# KiCad board ergodonk_pico.kicad_pcb (continued)
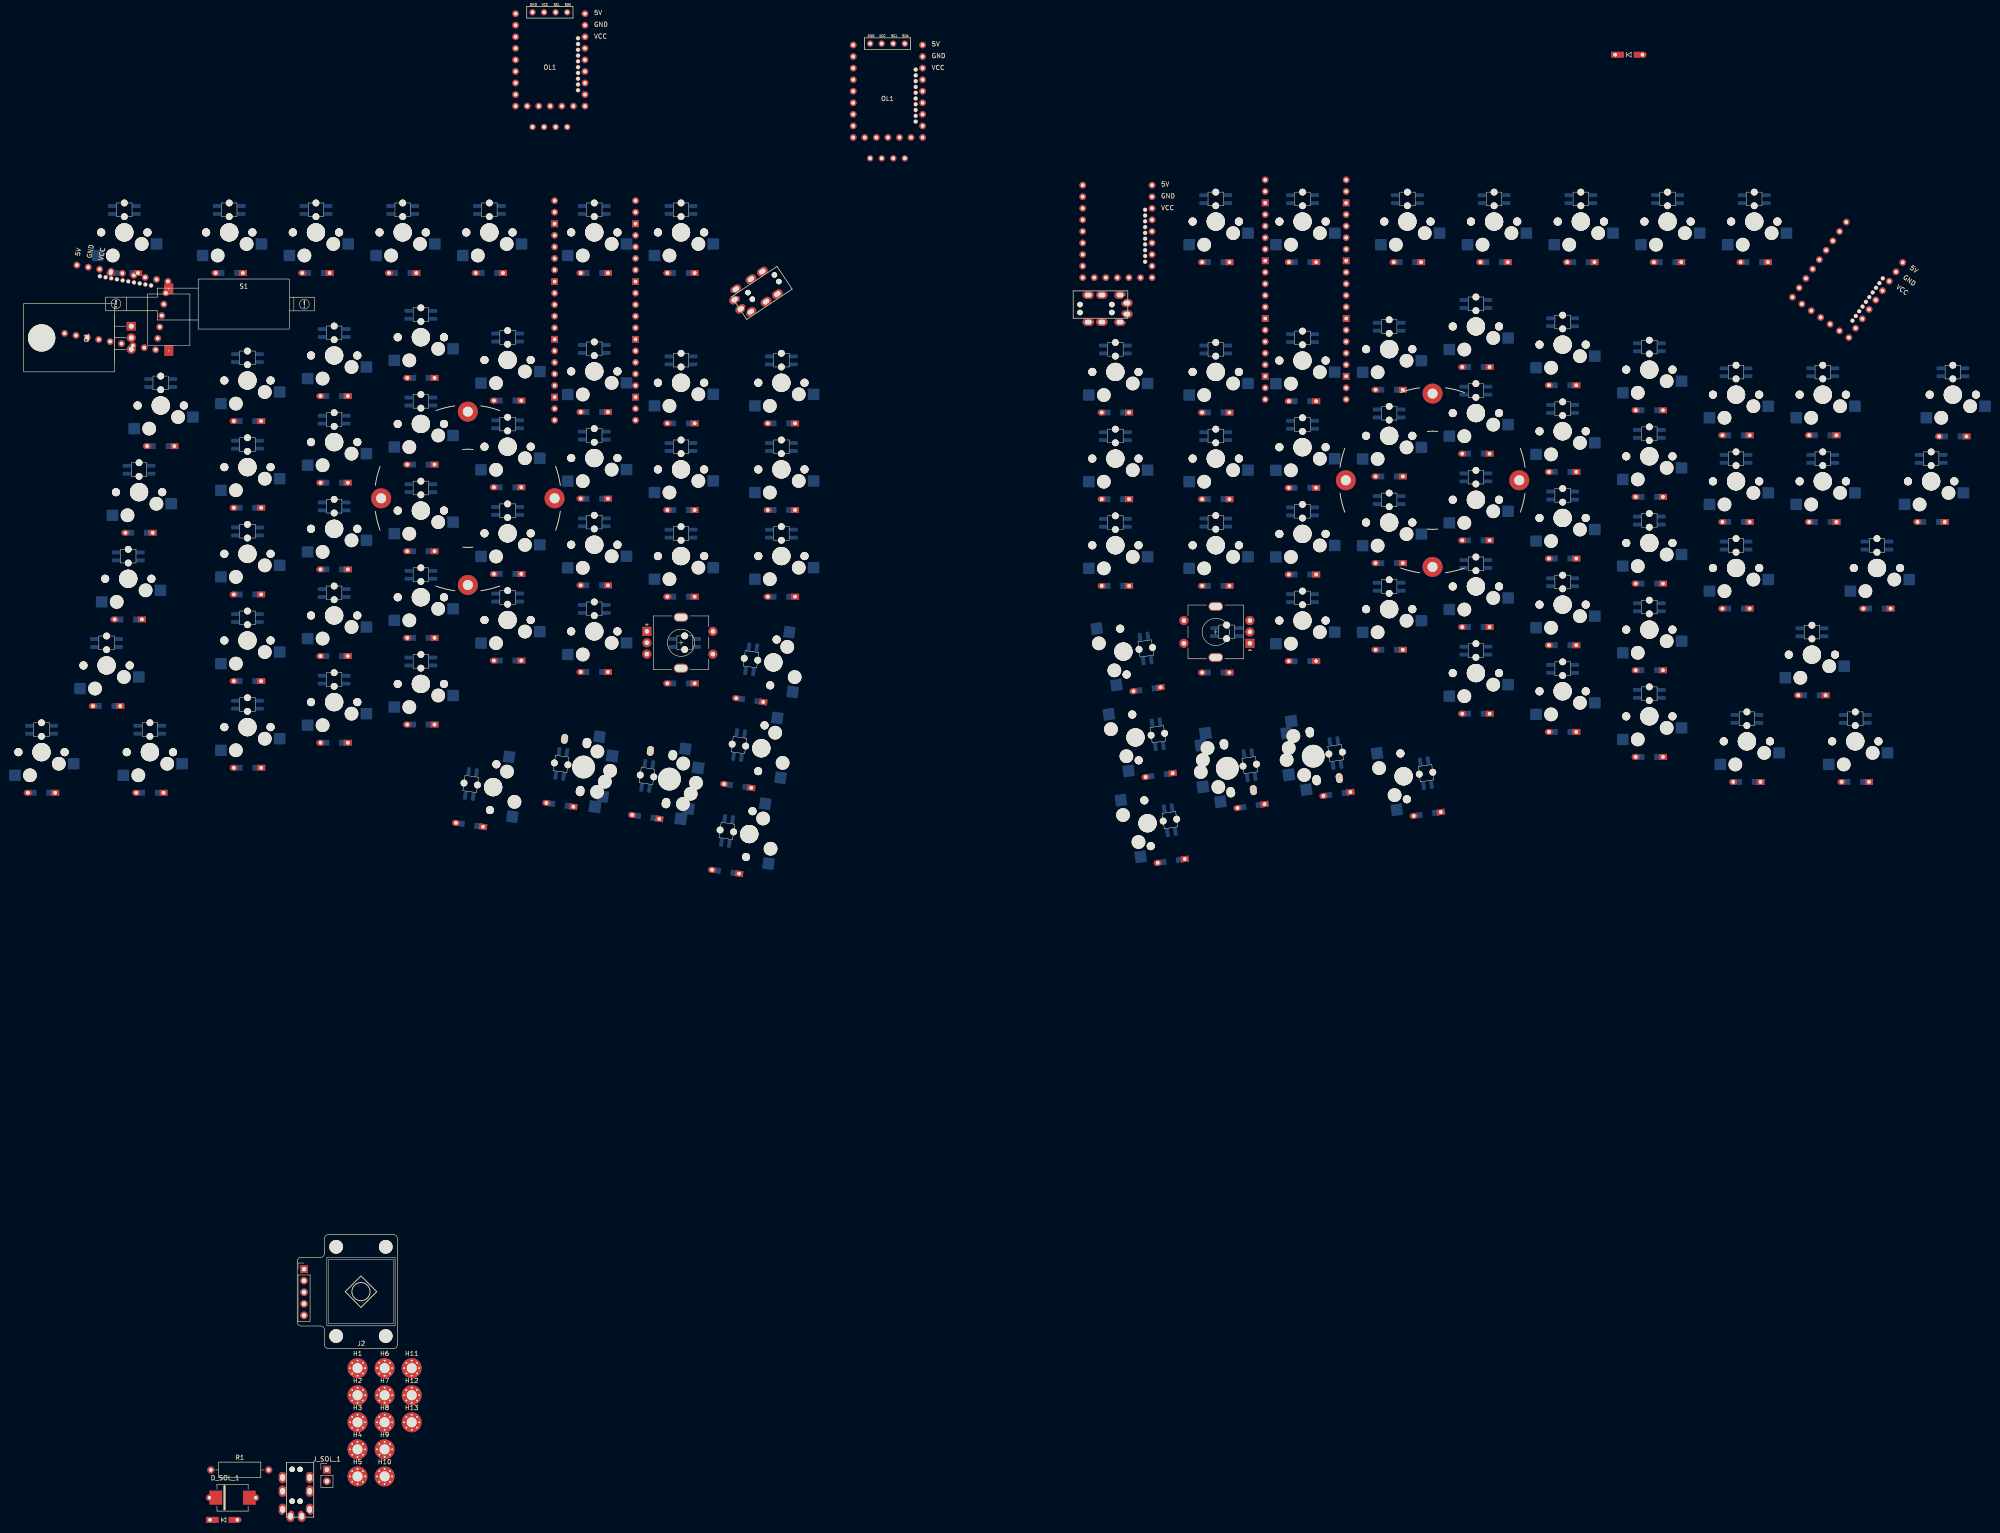
[diagram p0: board, top side]
## Placement (name value [footprint] x y rotation side) (continued)
LS1  AST1109MLTRQ_MAL  [AST1109MLTRQ]  29.64 221.14 90 top
NOREF  -  [39367019-bb4e-49d1-b84f-72ef74cff27d]  104.47 278.25 0 top
NOREF#2  -  [39367019-bb4e-49d1-b84f-72ef74cff27d]  16.53 214.99 79.8 top
NOREF#3  -  [39367019-bb4e-49d1-b84f-72ef74cff27d]  391.16 235.15 324.4 top
NOREF#4  -  [39367019-bb4e-49d1-b84f-72ef74cff27d]  178.64 271.36 0 top
NOREF#5  -  [39367019-bb4e-49d1-b84f-72ef74cff27d]  229.05 240.55 0 top
OL1  OLED  [OLED SSD1306 128x64 UNVERIFIED]  113.38 276.11 0 top
OL1#2  OLED  [OLED SSD1306 128x64 UNVERIFIED]  187.55 269.22 0 top
Q1  TIP120  [Tip 120 with heatsink]  10.19 217.17 270 top
R1  1k  [R_Axial_DIN0309_L9.0mm_D3.2mm_P12.70mm_Horizontal]  38.91 -31.68 0 top
S1  Solenoid  [uxcell a14092600ux0438 solenoid]  46.13 224.58 0 top
SW_LH_00  SW_PUSH  [V2_CherryMX_Hotswap]  164.24 207.28 180 bottom
SW_LH_01  SW_PUSH  [V2_CherryMX_Hotswap]  142.19 240.33 180 bottom
SW_LH_02  SW_PUSH  [V2_CherryMX_Hotswap]  123.14 240.33 180 bottom
SW_LH_03  SW_PUSH  [V2_CherryMX_Hotswap]  100.09 240.33 180 bottom
SW_LH_04  SW_PUSH  [V2_CherryMX_Hotswap]  81.04 240.33 180 bottom
SW_LH_05  SW_PUSH  [V2_CherryMX_Hotswap]  61.99 240.33 180 bottom
SW_LH_06  SW_PUSH  [V2_CherryMX_Hotswap]  42.94 240.33 180 bottom
SW_LH_07  SW_PUSH  [V2_CherryMX_Hotswap]  19.89 240.33 180 bottom
SW_LH_10  SW_PUSH  [V2_CherryMX_Hotswap]  164.24 188.23 180 bottom
SW_LH_11  SW_PUSH  [V2_CherryMX_Hotswap]  142.19 207.28 180 bottom
SW_LH_12  SW_PUSH  [V2_CherryMX_Hotswap]  123.14 209.78 180 bottom
SW_LH_13  SW_PUSH  [V2_CherryMX_Hotswap]  104.09 212.28 180 bottom
SW_LH_14  SW_PUSH  [V2_CherryMX_Hotswap]  85.04 217.28 180 bottom
SW_LH_15  SW_PUSH  [V2_CherryMX_Hotswap]  65.99 213.28 180 bottom
SW_LH_16  SW_PUSH  [V2_CherryMX_Hotswap]  46.94 207.78 180 bottom
SW_LH_17  SW_PUSH  [V2_CherryMX_Hotswap]  27.89 202.28 180 bottom
SW_LH_20  SW_PUSH  [V2_CherryMX_Hotswap]  164.24 169.18 180 bottom
SW_LH_21  SW_PUSH  [V2_CherryMX_Hotswap]  142.19 188.23 180 bottom
SW_LH_22  SW_PUSH  [V2_CherryMX_Hotswap]  123.14 190.73 180 bottom
SW_LH_23  SW_PUSH  [V2_CherryMX_Hotswap]  104.09 193.23 180 bottom
SW_LH_24  SW_PUSH  [V2_CherryMX_Hotswap]  85.04 198.23 180 bottom
SW_LH_25  SW_PUSH  [V2_CherryMX_Hotswap]  65.99 194.23 180 bottom
SW_LH_26  SW_PUSH  [V2_CherryMX_Hotswap]  46.94 188.73 180 bottom
SW_LH_27  SW_PUSH  [V2_CherryMX_Hotswap]  23.13 183.23 180 bottom
SW_LH_30  SW_PUSH  [V2_CherryMX_Hotswap]  162.49 145.81 262 bottom
SW_LH_31  SW_PUSH  [V2_CherryMX_Hotswap]  142.19 169.18 180 bottom
SW_LH_32  SW_PUSH  [V2_CherryMX_Hotswap]  123.14 171.68 180 bottom
SW_LH_33  SW_PUSH  [V2_CherryMX_Hotswap]  104.09 174.18 180 bottom
SW_LH_34  SW_PUSH  [V2_CherryMX_Hotswap]  85.04 179.18 180 bottom
SW_LH_35  SW_PUSH  [V2_CherryMX_Hotswap]  65.99 175.18 180 bottom
SW_LH_36  SW_PUSH  [V2_CherryMX_Hotswap]  46.94 169.68 180 bottom
SW_LH_37  SW_PUSH  [V2_CherryMX_Hotswap]  20.76 164.2 180 bottom
SW_LH_40  SW_PUSH  [V2_CherryMX_Hotswap]  159.84 126.95 262 bottom
SW_LH_42  SW_PUSH  [V2_CherryMX_Hotswap]  123.14 152.63 180 bottom
SW_LH_43  SW_PUSH  [V2_CherryMX_Hotswap]  104.09 155.13 180 bottom
SW_LH_44  SW_PUSH  [V2_CherryMX_Hotswap]  85.04 160.13 180 bottom
SW_LH_45  SW_PUSH  [V2_CherryMX_Hotswap]  65.99 156.13 180 bottom
SW_LH_46  SW_PUSH  [V2_CherryMX_Hotswap]  46.94 150.63 180 bottom
SW_LH_47  SW_PUSH  [V2_CherryMX_Hotswap]  16 145.15 180 bottom
SW_LH_50  SW_PUSH  [V2_CherryMX_Hotswap]  157.18 108.08 262 bottom
SW_LH_51  SW_PUSH  [V2_CherryMX_KailhV2_Hotswap]  139.65 120.16 262 bottom
SW_LH_52  SW_PUSH  [V2_CherryMX_KailhV2_Hotswap]  120.78 122.82 262 bottom
SW_LH_53  SW_PUSH  [V2_CherryMX_Hotswap]  100.92 118.39 262 bottom
SW_LH_54  SW_PUSH  [V2_CherryMX_Hotswap]  85.04 141.08 180 bottom
SW_LH_55  SW_PUSH  [V2_CherryMX_Hotswap]  65.99 137.08 180 bottom
SW_LH_56  SW_PUSH  [V2_CherryMX_Hotswap]  46.94 131.58 180 bottom
SW_LH_57  SW_PUSH  [V2_CherryMX_Hotswap]  25.51 126.08 180 bottom
SW_LH_58  SW_PUSH  [V2_CherryMX_Hotswap]  1.7 126.08 180 bottom
SW_RH_00  SW_PUSH  [V2_CherryMX_Hotswap]  237.62 209.67 180 bottom
SW_RH_01  SW_PUSH  [V2_CherryMX_Hotswap]  259.67 242.72 180 bottom
SW_RH_02  SW_PUSH  [V2_CherryMX_Hotswap]  278.73 242.72 180 bottom
SW_RH_03  SW_PUSH  [V2_CherryMX_Hotswap]  301.77 242.72 180 bottom
SW_RH_04  SW_PUSH  [V2_CherryMX_Hotswap]  320.81 242.72 180 bottom
SW_RH_05  SW_PUSH  [V2_CherryMX_Hotswap]  339.87 242.72 180 bottom
SW_RH_06  SW_PUSH  [V2_CherryMX_Hotswap]  358.92 242.72 180 bottom
SW_RH_07  SW_PUSH  [V2_CherryMX_Hotswap]  377.97 242.72 180 bottom
SW_RH_08  SW_PUSH  [V2_CherryMX_Hotswap]  421.59 204.67 180 bottom
SW_RH_10  SW_PUSH  [V2_CherryMX_Hotswap]  237.62 190.62 180 bottom
SW_RH_11  SW_PUSH  [V2_CherryMX_Hotswap]  259.67 209.67 180 bottom
SW_RH_12  SW_PUSH  [V2_CherryMX_Hotswap]  278.72 212.17 180 bottom
SW_RH_13  SW_PUSH  [V2_CherryMX_Hotswap]  297.77 214.67 180 bottom
SW_RH_14  SW_PUSH  [V2_CherryMX_Hotswap]  316.82 219.67 180 bottom
SW_RH_15  SW_PUSH  [V2_CherryMX_Hotswap]  335.87 215.67 180 bottom
SW_RH_16  SW_PUSH  [V2_CherryMX_Hotswap]  354.92 210.17 180 bottom
SW_RH_17  SW_PUSH  [V2_CherryMX_Hotswap]  373.97 204.67 180 bottom
SW_RH_18  SW_PUSH  [V2_CherryMX_Hotswap]  393.02 204.67 180 bottom
SW_RH_20  SW_PUSH  [V2_CherryMX_Hotswap]  237.62 171.56 180 bottom
SW_RH_21  SW_PUSH  [V2_CherryMX_Hotswap]  259.67 190.62 180 bottom
SW_RH_22  SW_PUSH  [V2_CherryMX_Hotswap]  278.72 193.12 180 bottom
SW_RH_23  SW_PUSH  [V2_CherryMX_Hotswap]  297.77 195.62 180 bottom
SW_RH_24  SW_PUSH  [V2_CherryMX_Hotswap]  316.82 200.62 180 bottom
SW_RH_25  SW_PUSH  [V2_CherryMX_Hotswap]  335.87 196.62 180 bottom
SW_RH_26  SW_PUSH  [V2_CherryMX_Hotswap]  354.92 191.12 180 bottom
SW_RH_27  SW_PUSH  [V2_CherryMX_Hotswap]  373.97 185.62 180 bottom
SW_RH_28  SW_PUSH  [V2_CherryMX_Hotswap]  393.02 185.62 180 bottom
SW_RH_30  SW_PUSH  [V2_CherryMX_Hotswap]  239.38 148.19 98 bottom
SW_RH_31  SW_PUSH  [V2_CherryMX_Hotswap]  259.67 171.56 180 bottom
SW_RH_32  SW_PUSH  [V2_CherryMX_Hotswap]  278.72 174.06 180 bottom
SW_RH_33  SW_PUSH  [V2_CherryMX_Hotswap]  297.77 176.56 180 bottom
SW_RH_34  SW_PUSH  [V2_CherryMX_Hotswap]  316.82 181.56 180 bottom
SW_RH_35  SW_PUSH  [V2_CherryMX_Hotswap]  335.87 177.56 180 bottom
SW_RH_36  SW_PUSH  [V2_CherryMX_Hotswap]  354.92 172.06 180 bottom
SW_RH_37  SW_PUSH  [V2_CherryMX_Hotswap]  373.97 166.56 180 bottom
SW_RH_38  SW_PUSH  [V2_CherryMX_Hotswap]  416.83 185.62 180 bottom
SW_RH_40  SW_PUSH  [V2_CherryMX_Hotswap]  242.03 129.33 98 bottom
SW_RH_42  SW_PUSH  [V2_CherryMX_Hotswap]  278.72 155.02 180 bottom
SW_RH_43  SW_PUSH  [V2_CherryMX_Hotswap]  297.77 157.52 180 bottom
SW_RH_44  SW_PUSH  [V2_CherryMX_Hotswap]  316.82 162.52 180 bottom
SW_RH_45  SW_PUSH  [V2_CherryMX_Hotswap]  335.87 158.52 180 bottom
SW_RH_46  SW_PUSH  [V2_CherryMX_Hotswap]  354.92 153.02 180 bottom
SW_RH_47  SW_PUSH  [V2_CherryMX_Hotswap]  390.64 147.52 180 bottom
SW_RH_48  SW_PUSH  [V2_CherryMX_Hotswap]  404.92 166.56 180 bottom
SW_RH_50  SW_PUSH  [V2_CherryMX_Hotswap]  244.68 110.46 98 bottom
SW_RH_51  SW_PUSH  [V2_CherryMX_KailhV2_Hotswap]  262.22 122.55 98 bottom
SW_RH_52  SW_PUSH  [V2_CherryMX_KailhV2_Hotswap]  281.08 125.2 98 bottom
SW_RH_53  SW_PUSH  [V2_CherryMX_Hotswap]  300.94 120.77 98 bottom
SW_RH_54  SW_PUSH  [V2_CherryMX_Hotswap]  316.82 143.47 180 bottom
SW_RH_55  SW_PUSH  [V2_CherryMX_Hotswap]  335.87 139.47 180 bottom
SW_RH_56  SW_PUSH  [V2_CherryMX_Hotswap]  354.92 133.97 180 bottom
SW_RH_57  SW_PUSH  [V2_CherryMX_Hotswap]  376.35 128.47 180 bottom
SW_RH_58  SW_PUSH  [V2_CherryMX_Hotswap]  400.16 128.47 180 bottom
SWLH_ROT1  RotaryEncoder_Switch  [RotaryEncoder_EC11_ergodonk_variant]  142.19 150.13 0 top
SWRH_ROT1  RotaryEncoder_Switch  [RotaryEncoder_EC11_ergodonk_variant]  259.67 152.52 180 top
U1  Pico  [RPi_Pico_SMD_TH_DS_Ergodonk_v1]  123.39 223.18 180 bottom
U2  Pico  [RPi_Pico_SMD_TH_DS_Ergodonk_v1]  279.5 227.75 180 bottom

## Library data of the parts
D1 D102 = -: Description: Diode
D_LH_00 D_LH_01 D_LH_02 D_LH_03 D_LH_04 D_LH_05 D_LH_06 D_LH_07 D_LH_10-D_LH_17 D_LH_20-D_LH_27 D_LH_30-D_LH_37 D_LH_40-D_LH_47 D_LH_50-D_LH_58 D_RH_00 D_RH_01 D_RH_02 D_RH_03 D_RH_04 D_RH_05 D_RH_06 D_RH_07 D_RH_08 D_RH_10-D_RH_18 D_RH_20-D_RH_28 D_RH_30-D_RH_38 D_RH_40-D_RH_48 D_RH_50-D_RH_58 = -: Description: Diode; Sim.Pins: 1=K 2=A
D_SOL_1 = -: MANUFACTURER: Taiwan Semiconductor; MAXIMUM_PACKAGE_HEIGHT: 2.62 mm; PARTREV: L2102; STANDARD: IPC-7351B
H1-H15 = -: Description: Mounting Hole without connection
J1 J3 J4 = -: Description: Audio Jack, 4 Poles (TRRS)
J2 = -: Description: Generic connector, single row, 01x05, script generated
J_SOL_1 = -: Description: Generic connector, single row, 01x02, script generated (kicad-library-utils/schlib/autogen/connector/)
Q1 = -: Description: 5A Ic, 60V Vce, Silicon Darlington Power NPN Transistor, TO-220
R1 = -: Description: Resistor, small symbol
SWLH_ROT1 SWRH_ROT1 = -: Description: Rotary encoder, dual channel, incremental quadrate outputs, with switch

## Footprints (pads in the part's own frame, mm; a bottom-side part is the same pattern mirrored in y, then rotated)
39367019-bb4e-49d1-b84f-72ef74cff27d
  round 1.5 hole 0.8: 1(1.38,10.16) 2(1.38,7.62) 3(1.38,5.08) 4(1.38,2.54) 5(1.38,0) 6(1.38,-2.54) 7(1.38,-5.08) 8(1.38,-7.62) 9(1.38,-10.16) 10(3.92,-10.16) 11(6.46,-10.16) 12(9,-10.16) 13(11.54,-10.16) 14(14.08,-10.16) 15(16.62,-10.16) 16(16.62,-7.62) 17(16.62,-5.08) 18(16.62,-2.54) 19(16.62,0) 20(16.62,2.54) 21(16.62,5.08) 22(16.62,7.62) 23(16.62,10.16)
  round 1 hole 0.8: 24(15.096,-6.674) 25(15.096,-5.404) 26(15.096,-4.134) 27(15.096,-2.864) 28(15.096,-1.594) 29(15.096,-0.324) 30(15.096,0.946) 31(15.096,2.216) 32(15.096,3.486) 33(15.096,4.756)
AST1109MLTRQ
  round 0.4 hole 0.25: 1(-6.795,0) 2(6.795,0)
  rect 2.311x1.956 smd: 1(-6.795,0) 2(6.795,0)
  rect 2.311x1.956 smd far side: 1(-6.795,0) 2(6.795,0)
D3_TH_SMD_v2
  rect 1.778x1.3 hole 0.813: 1(-3,0)
  rect 1.4x1.3 smd: 1(-1.775,0) 2(1.775,0)
  oval 1.778x1.3 hole 0.813: 2(3,0)
MJ-4PP-9_CANTOR_KITCHEN_SINK
  round 1.2 hole 1.2 unplated: (-1.75,-1.5) (-1.75,-8.5) (0,-1.5) (0,-8.5)
  rrect 1.7x2.5 hole 1x1.5: 1(-2.1,-11.8) 1(0.35,-11.8) 2(-3.85,-10.3) 2(2.1,-10.3)
  oval 1.7x2.5 hole 1x1.5: 3(-3.85,-6.3) 3(2.1,-6.3) 4(-3.85,-3.3) 4(2.1,-3.3)
MountingHole_2.2mm_M2_Pad_Via
  round 0.7 hole 0.4: 1(-1.65,0) 1(-1.167,1.167) 1(-1.167,-1.167) 1(0,1.65) 1(0,-1.65) 1(1.167,1.167) 1(1.167,-1.167) 1(1.65,0)
  round 4.4 hole 2.2: 1(0,0)
MUR340S_IN4001_TH_HYBRID
  rect 2.795x3.12 smd: A(3.683,0) C(-3.683,0)
  round 1.524 hole 0.762: A(5.08,0) C(-5.08,0)
OLED SSD1306 128x64 UNVERIFIED
  round 1.397 hole 0.813: 1(3.81,12.605) 1(3.81,-12.605) 2(1.27,12.605) 2(1.27,-12.605) 3(-1.27,12.605) 3(-1.27,-12.605) 4(-3.81,12.605) 4(-3.81,-12.605)
pimoroni_trackball
  round 3 hole 3 unplated: (7.05,4.9) (7.05,-14.7) (17.95,4.9) (17.95,-14.7)
  rect 1.7x1.7 hole 1: 1(0,0)
  oval 1.7x1.7 hole 1: 2(0,-2.54) 3(0,-5.08) 4(0,-7.62) 5(0,-10.16)
PinHeader_1x02_P2.54mm_Vertical
  rect 1.7x1.7 hole 1: 1(0,0)
  oval 1.7x1.7 hole 1: 2(0,-2.54)
R_Axial_DIN0309_L9.0mm_D3.2mm_P12.70mm_Horizontal
  round 1.6 hole 0.8: 1(0,0)
  oval 1.6x1.6 hole 0.8: 2(12.7,0)
RotaryEncoder_EC11_ergodonk_variant
  oval 3.2x2 hole 2.8x1.5 unplated: (0,5.6) (0,-5.6)
  rect 2x2 hole 1: A(-7.5,2.5)
  round 2 hole 1: B(-7.5,-2.5) C(-7.5,0) S1(7,-2.5) S2(7,2.5)
RPi_Pico_SMD_TH_DS_Ergodonk_v1
  round 1.5 hole 0.8: 1(-8.817,24.13) 2(-8.817,21.59) 4(-8.817,16.51) 5(-8.817,13.97) 6(-8.817,11.43) 7(-8.817,8.89) 9(-8.817,3.81) 10(-8.817,1.27) 11(-8.817,-1.27) 12(-8.817,-3.81) 14(-8.817,-8.89) 15(-8.817,-11.43) 16(-8.817,-13.97) 17(-8.817,-16.51) 19(-8.817,-21.59) 20(-8.817,-24.13) 21(8.963,-24.13) 22(8.963,-21.59) 24(8.963,-16.51) 25(8.963,-13.97) 26(8.963,-11.43) 27(8.963,-8.89) 29(8.963,-3.81) 30(8.963,-1.27) 31(8.963,1.27) 32(8.963,3.81) 34(8.963,8.89) 35(8.963,11.43) 36(8.963,13.97) 37(8.963,16.51) 39(8.963,21.59) 40(8.963,24.13)
  rect 1.5x1.5 hole 0.8: 3(-8.817,19.05) 8(-8.817,6.35) 13(-8.817,-6.35) 18(-8.817,-19.05) 23(8.963,-19.05) 28(8.963,-6.35) 33(8.963,6.35) 38(8.963,19.05)
SK6812-MINI-E
  rrect 1.82x0.85 smd: (-2.69,-0.905)
  rrect 1.82x0.84 smd: (-2.69,0.845) (2.69,-0.9)
  round 1.5 hole 1.5 unplated: (0,-1.49) (0,1.51)
  rect 1.38x0.84 smd: (2.47,0.85)
  rrect 1.49x0.84 smd: (2.855,0.85)
  custom 1.8x0.85 smd: 1(-2.7,-0.905) 2(-2.7,0.845) 3(2.7,0.84) 4(2.7,-0.905)
Tenting_Puck.kicad_mod_nocenter
  round 4.4 hole 2.2: 1(-19.05,0) 1(0,19.05) 1(0,-19.05) 1(19.05,0)
Tip 120 with heatsink
  round 6 hole 6 unplated: (0.03,-8.453)
  rect 1.905x2 hole 1.1: 1(-2.54,11.238)
  oval 1.905x2 hole 1.1: 2(0,11.238) 3(2.54,11.238)
uxcell a14092600ux0438 solenoid
  round 0.001 hole 2.2 unplated: (-5,3) (-5,-3) (-1,-1.5) (1,1.5) (5,3) (5,-2.975)
V2_CherryMX_Hotswap
  round 1.75 hole 1.75 unplated: (-5.08,0) (-5.08,0) (5.08,0) (5.08,0)
  round 3 hole 3 unplated: (-3.81,-2.54) (2.54,-5.08)
  round 3.988 hole 3.988 unplated: (0,0) (0,0)
  rrect 2.55x2.5 smd: 1(-7.085,-2.54) 2(5.842,-5.08)
V2_CherryMX_KailhV2_Hotswap
  oval 2.2x1.5 hole 1x0.3: (-5.55,5)
  round 1.9 hole 1.9 unplated: (-5.5,0) (5.5,0)
  round 1.75 hole 1.75 unplated: (-5.08,0) (-5.08,0) (5.08,0) (5.08,0)
  round 3 hole 3 unplated: (-3.81,-2.54) (0,-5.9) (2.54,-5.08) (5,-3.7)
  round 3.988 hole 3.988 unplated: (0,0) (0,0)
  round 5 hole 5 unplated: (0,0)
  rrect 2.55x2.5 smd: 1(-7.085,-2.54) 2(5.842,-5.08)
  rect 2.6x2.6 smd: 1(-3.3,-5.9) 2(8.3,-3.7)

## Nets
GND: J2.5 L_LH_00.3 L_LH_1.3 L_LH_2.3 L_LH_3.3 L_LH_4.3 L_LH_5.3 L_LH_6.3 L_LH_7.3 L_LH_10.3 L_LH_11.3 L_LH_12.3 L_LH_13.3 L_LH_14.3 L_LH_15.3 L_LH_16.3 L_LH_17.3 L_LH_20.3 L_LH_21.3 L_LH_22.3 L_LH_23.3 L_LH_24.3 L_LH_25.3 L_LH_26.3 L_LH_27.3 L_LH_30.3 L_LH_31.3 L_LH_32.3 L_LH_33.3 L_LH_34.3 L_LH_35.3 L_LH_36.3 L_LH_37.3 L_LH_40.3 L_LH_41.3 L_LH_42.3 L_LH_43.3 L_LH_44.3 L_LH_45.3 L_LH_46.3 L_LH_47.3 L_LH_50.3 L_LH_51.3 L_LH_52.3 L_LH_53.3 L_LH_54.3 L_LH_55.3 L_LH_56.3 L_LH_57.3 L_LH_58.3 L_RH_00.3 L_RH_1.3 L_RH_2.3 L_RH_3.3 L_RH_4.3 L_RH_5.3 L_RH_6.3 L_RH_7.3 L_RH_8.3 L_RH_10.3 L_RH_11.3 L_RH_12.3 L_RH_13.3 L_RH_14.3 L_RH_15.3 L_RH_16.3 L_RH_17.3 L_RH_18.3 L_RH_20.3 L_RH_21.3 L_RH_22.3 L_RH_23.3 L_RH_24.3 L_RH_25.3 L_RH_26.3 L_RH_27.3 L_RH_28.3 L_RH_30.3 L_RH_31.3 L_RH_32.3 L_RH_33.3 L_RH_34.3 L_RH_35.3 L_RH_36.3 L_RH_37.3 L_RH_38.3 L_RH_40.3 L_RH_41.3 L_RH_42.3 L_RH_43.3 L_RH_44.3 L_RH_45.3 L_RH_46.3 L_RH_47.3 L_RH_48.3 L_RH_50.3 L_RH_51.3 L_RH_52.3 L_RH_53.3 L_RH_54.3 L_RH_55.3 L_RH_56.3 L_RH_57.3 L_RH_58.3 LS1.2 OL1.4 OL1#2.4 Q1.3 SWLH_ROT1.C SWRH_ROT1.C U1.3 U1.8 U1.13 U1.18 U1.23 U1.28 U1.33 U1.38 U2.3 U2.8 U2.13 U2.18 U2.23 U2.28 U2.33 U2.38
VCC: D1.1 D102.1 D_SOL_1.C J2.1 J_SOL_1.2 OL1.3 OL1#2.3 U1.39 U2.39
VDD: L_LH_00.1 L_LH_1.1 L_LH_2.1 L_LH_3.1 L_LH_4.1 L_LH_5.1 L_LH_6.1 L_LH_7.1 L_LH_10.1 L_LH_11.1 L_LH_12.1 L_LH_13.1 L_LH_14.1 L_LH_15.1 L_LH_16.1 L_LH_17.1 L_LH_20.1 L_LH_21.1 L_LH_22.1 L_LH_23.1 L_LH_24.1 L_LH_25.1 L_LH_26.1 L_LH_27.1 L_LH_30.1 L_LH_31.1 L_LH_32.1 L_LH_33.1 L_LH_34.1 L_LH_35.1 L_LH_36.1 L_LH_37.1 L_LH_40.1 L_LH_41.1 L_LH_42.1 L_LH_43.1 L_LH_44.1 L_LH_45.1 L_LH_46.1 L_LH_47.1 L_LH_50.1 L_LH_51.1 L_LH_52.1 L_LH_53.1 L_LH_54.1 L_LH_55.1 L_LH_56.1 L_LH_57.1 L_LH_58.1 L_RH_00.1 L_RH_1.1 L_RH_2.1 L_RH_3.1 L_RH_4.1 L_RH_5.1 L_RH_6.1 L_RH_7.1 L_RH_8.1 L_RH_10.1 L_RH_11.1 L_RH_12.1 L_RH_13.1 L_RH_14.1 L_RH_15.1 L_RH_16.1 L_RH_17.1 L_RH_18.1 L_RH_20.1 L_RH_21.1 L_RH_22.1 L_RH_23.1 L_RH_24.1 L_RH_25.1 L_RH_26.1 L_RH_27.1 L_RH_28.1 L_RH_30.1 L_RH_31.1 L_RH_32.1 L_RH_33.1 L_RH_34.1 L_RH_35.1 L_RH_36.1 L_RH_37.1 L_RH_38.1 L_RH_40.1 L_RH_41.1 L_RH_42.1 L_RH_43.1 L_RH_44.1 L_RH_45.1 L_RH_46.1 L_RH_47.1 L_RH_48.1 L_RH_50.1 L_RH_51.1 L_RH_52.1 L_RH_53.1 L_RH_54.1 L_RH_55.1 L_RH_56.1 L_RH_57.1 L_RH_58.1
col0: SW_LH_00.1 SW_LH_10.1 SW_LH_20.1 SW_LH_30.1 SW_LH_40.1 SW_LH_50.1 U1.11
col0_rh: SW_RH_00.1 SW_RH_10.1 SW_RH_20.1 SW_RH_30.1 SW_RH_40.1 SW_RH_50.1 U2.11
col2: SW_LH_02.1 SW_LH_12.1 SW_LH_22.1 SW_LH_32.1 SW_LH_42.1 SW_LH_52.1 U1.14
col2_rh: SW_RH_02.1 SW_RH_12.1 SW_RH_22.1 SW_RH_32.1 SW_RH_42.1 SW_RH_52.1 U2.14
col3: SW_LH_03.1 SW_LH_13.1 SW_LH_23.1 SW_LH_33.1 SW_LH_43.1 SW_LH_53.1 U1.15
col3_rh: SW_RH_03.1 SW_RH_13.1 SW_RH_23.1 SW_RH_33.1 SW_RH_43.1 SW_RH_53.1 U2.15
col4: SW_LH_04.1 SW_LH_14.1 SW_LH_24.1 SW_LH_34.1 SW_LH_44.1 SW_LH_54.1 U1.16
col4_rh: SW_RH_04.1 SW_RH_14.1 SW_RH_24.1 SW_RH_34.1 SW_RH_44.1 SW_RH_54.1 U2.16
col5: SW_LH_05.1 SW_LH_15.1 SW_LH_25.1 SW_LH_35.1 SW_LH_45.1 SW_LH_55.1 U1.17
col5_rh: SW_RH_05.1 SW_RH_15.1 SW_RH_25.1 SW_RH_35.1 SW_RH_45.1 SW_RH_55.1 U2.17
col6: SW_LH_06.1 SW_LH_16.1 SW_LH_26.1 SW_LH_36.1 SW_LH_46.1 SW_LH_56.1 U1.19
col6_rh: SW_RH_06.1 SW_RH_16.1 SW_RH_26.1 SW_RH_36.1 SW_RH_46.1 SW_RH_56.1 U2.19
col7: SW_LH_07.1 SW_LH_17.1 SW_LH_27.1 SW_LH_37.1 SW_LH_47.1 SW_LH_57.1 U1.34
col7_rh: SW_RH_07.1 SW_RH_17.1 SW_RH_27.1 SW_RH_37.1 SW_RH_47.1 SW_RH_57.1 U2.34
col8: SW_LH_58.1 U1.29
col8_rh: SW_RH_08.1 SW_RH_18.1 SW_RH_28.1 SW_RH_38.1 SW_RH_48.1 SW_RH_58.1 U2.29
data1RX: U1.2
data1RX_RH: U2.2
data1TX: U1.1
data1TX_RH: U2.1
encA: SWLH_ROT1.A U1.22
encA_rh: SWRH_ROT1.A U2.22
encB: SWLH_ROT1.B U1.21
encB_rh: SWRH_ROT1.B U2.21
LED: U1.20 U2.20
MI: U2.26
MO: U2.25
row0: D_LH_00.1 D_LH_01.1 D_LH_02.1 D_LH_03.1 D_LH_04.1 D_LH_05.1 D_LH_06.1 D_LH_07.1 U1.4
row0_rh: D_RH_00.1 D_RH_01.1 D_RH_02.1 D_RH_03.1 D_RH_04.1 D_RH_05.1 D_RH_06.1 D_RH_07.1 D_RH_08.1 U2.4
row1: D_LH_10.1 D_LH_11.1 D_LH_12.1 D_LH_13.1 D_LH_14.1 D_LH_15.1 D_LH_16.1 D_LH_17.1 U1.5
row1_rh: D_RH_10.1 D_RH_11.1 D_RH_12.1 D_RH_13.1 D_RH_14.1 D_RH_15.1 D_RH_16.1 D_RH_17.1 D_RH_18.1 U2.5
row2: D_LH_20.1 D_LH_21.1 D_LH_22.1 D_LH_23.1 D_LH_24.1 D_LH_25.1 D_LH_26.1 D_LH_27.1 U1.6
row2_rh: D_RH_20.1 D_RH_21.1 D_RH_22.1 D_RH_23.1 D_RH_24.1 D_RH_25.1 D_RH_26.1 D_RH_27.1 D_RH_28.1 U2.6
row3: D_LH_30.1 D_LH_31.1 D_LH_32.1 D_LH_33.1 D_LH_34.1 D_LH_35.1 D_LH_36.1 D_LH_37.1 U1.7
row3_rh: D_RH_30.1 D_RH_31.1 D_RH_32.1 D_RH_33.1 D_RH_34.1 D_RH_35.1 D_RH_36.1 D_RH_37.1 D_RH_38.1 U2.7
row4: D_LH_40.1 D_LH_41.1 D_LH_42.1 D_LH_43.1 D_LH_44.1 D_LH_45.1 D_LH_46.1 D_LH_47.1 U1.9
row4_rh: D_RH_40.1 D_RH_41.1 D_RH_42.1 D_RH_43.1 D_RH_44.1 D_RH_45.1 D_RH_46.1 D_RH_47.1 D_RH_48.1 U2.9
row5: D_LH_50.1 D_LH_51.1 D_LH_52.1 D_LH_53.1 D_LH_54.1 D_LH_55.1 D_LH_56.1 D_LH_57.1 D_LH_58.1 U1.10
row5_rh: D_RH_50.1 D_RH_51.1 D_RH_52.1 D_RH_53.1 D_RH_54.1 D_RH_55.1 D_RH_56.1 D_RH_57.1 D_RH_58.1 U2.10
SC: U2.24
SCL: J2.3 OL1.2 OL1#2.2 U1.32 U2.32
SDA: J2.2 OL1.1 OL1#2.1 U1.31 U2.31
SOLENOID_CONTROL: R1.2 U1.26
SPEAKER: LS1.1 U1.27
SS: U2.27
SW_LH_41_A: SW_LH_01.1 SW_LH_11.1 SW_LH_21.1 SW_LH_31.1 SW_LH_51.1 SWLH_ROT1.S1 U1.12
SW_LH_41_B: D_LH_41.2 SWLH_ROT1.S2
SW_RH_41_A: SW_RH_01.1 SW_RH_11.1 SW_RH_21.1 SW_RH_31.1 SW_RH_51.1 SWRH_ROT1.S1 U2.12
SW_RH_41_B: D_RH_41.2 SWRH_ROT1.S2
Net-(D1-A): D1.2 U2.40
Net-(D102-A): D102.2 U1.40
Net-(D_LH_00-A): D_LH_00.2 SW_LH_00.2
Net-(D_LH_01-A): D_LH_01.2 SW_LH_01.2
Net-(D_LH_02-A): D_LH_02.2 SW_LH_02.2
Net-(D_LH_03-A): D_LH_03.2 SW_LH_03.2
Net-(D_LH_04-A): D_LH_04.2 SW_LH_04.2
Net-(D_LH_05-A): D_LH_05.2 SW_LH_05.2
Net-(D_LH_06-A): D_LH_06.2 SW_LH_06.2
Net-(D_LH_07-A): D_LH_07.2 SW_LH_07.2
Net-(D_LH_10-A): D_LH_10.2 SW_LH_10.2
Net-(D_LH_11-A): D_LH_11.2 SW_LH_11.2
Net-(D_LH_12-A): D_LH_12.2 SW_LH_12.2
Net-(D_LH_13-A): D_LH_13.2 SW_LH_13.2
Net-(D_LH_14-A): D_LH_14.2 SW_LH_14.2
Net-(D_LH_15-A): D_LH_15.2 SW_LH_15.2
Net-(D_LH_16-A): D_LH_16.2 SW_LH_16.2
Net-(D_LH_17-A): D_LH_17.2 SW_LH_17.2
Net-(D_LH_20-A): D_LH_20.2 SW_LH_20.2
Net-(D_LH_21-A): D_LH_21.2 SW_LH_21.2
Net-(D_LH_22-A): D_LH_22.2 SW_LH_22.2
Net-(D_LH_23-A): D_LH_23.2 SW_LH_23.2
Net-(D_LH_24-A): D_LH_24.2 SW_LH_24.2
Net-(D_LH_25-A): D_LH_25.2 SW_LH_25.2
Net-(D_LH_26-A): D_LH_26.2 SW_LH_26.2
Net-(D_LH_27-A): D_LH_27.2 SW_LH_27.2
Net-(D_LH_30-A): D_LH_30.2 SW_LH_30.2
Net-(D_LH_31-A): D_LH_31.2 SW_LH_31.2
Net-(D_LH_32-A): D_LH_32.2 SW_LH_32.2
Net-(D_LH_33-A): D_LH_33.2 SW_LH_33.2
Net-(D_LH_34-A): D_LH_34.2 SW_LH_34.2
Net-(D_LH_35-A): D_LH_35.2 SW_LH_35.2
Net-(D_LH_36-A): D_LH_36.2 SW_LH_36.2
Net-(D_LH_37-A): D_LH_37.2 SW_LH_37.2
Net-(D_LH_40-A): D_LH_40.2 SW_LH_40.2
Net-(D_LH_42-A): D_LH_42.2 SW_LH_42.2
Net-(D_LH_43-A): D_LH_43.2 SW_LH_43.2
Net-(D_LH_44-A): D_LH_44.2 SW_LH_44.2
Net-(D_LH_45-A): D_LH_45.2 SW_LH_45.2
Net-(D_LH_46-A): D_LH_46.2 SW_LH_46.2
Net-(D_LH_47-A): D_LH_47.2 SW_LH_47.2
Net-(D_LH_50-A): D_LH_50.2 SW_LH_50.2
Net-(D_LH_51-A): D_LH_51.2 SW_LH_51.2
Net-(D_LH_52-A): D_LH_52.2 SW_LH_52.2
Net-(D_LH_53-A): D_LH_53.2 SW_LH_53.2
Net-(D_LH_54-A): D_LH_54.2 SW_LH_54.2
Net-(D_LH_55-A): D_LH_55.2 SW_LH_55.2
Net-(D_LH_56-A): D_LH_56.2 SW_LH_56.2
Net-(D_LH_57-A): D_LH_57.2 SW_LH_57.2
Net-(D_LH_58-A): D_LH_58.2 SW_LH_58.2
Net-(D_RH_00-A): D_RH_00.2 SW_RH_00.2
Net-(D_RH_01-A): D_RH_01.2 SW_RH_01.2
Net-(D_RH_02-A): D_RH_02.2 SW_RH_02.2
Net-(D_RH_03-A): D_RH_03.2 SW_RH_03.2
Net-(D_RH_04-A): D_RH_04.2 SW_RH_04.2
Net-(D_RH_05-A): D_RH_05.2 SW_RH_05.2
Net-(D_RH_06-A): D_RH_06.2 SW_RH_06.2
Net-(D_RH_07-A): D_RH_07.2 SW_RH_07.2
Net-(D_RH_08-A): D_RH_08.2 SW_RH_08.2
Net-(D_RH_10-A): D_RH_10.2 SW_RH_10.2
Net-(D_RH_11-A): D_RH_11.2 SW_RH_11.2
Net-(D_RH_12-A): D_RH_12.2 SW_RH_12.2
Net-(D_RH_13-A): D_RH_13.2 SW_RH_13.2
Net-(D_RH_14-A): D_RH_14.2 SW_RH_14.2
Net-(D_RH_15-A): D_RH_15.2 SW_RH_15.2
Net-(D_RH_16-A): D_RH_16.2 SW_RH_16.2
Net-(D_RH_17-A): D_RH_17.2 SW_RH_17.2
Net-(D_RH_18-A): D_RH_18.2 SW_RH_18.2
Net-(D_RH_20-A): D_RH_20.2 SW_RH_20.2
Net-(D_RH_21-A): D_RH_21.2 SW_RH_21.2
Net-(D_RH_22-A): D_RH_22.2 SW_RH_22.2
Net-(D_RH_23-A): D_RH_23.2 SW_RH_23.2
Net-(D_RH_24-A): D_RH_24.2 SW_RH_24.2
Net-(D_RH_25-A): D_RH_25.2 SW_RH_25.2
Net-(D_RH_26-A): D_RH_26.2 SW_RH_26.2
Net-(D_RH_27-A): D_RH_27.2 SW_RH_27.2
Net-(D_RH_28-A): D_RH_28.2 SW_RH_28.2
Net-(D_RH_30-A): D_RH_30.2 SW_RH_30.2
Net-(D_RH_31-A): D_RH_31.2 SW_RH_31.2
Net-(D_RH_32-A): D_RH_32.2 SW_RH_32.2
Net-(D_RH_33-A): D_RH_33.2 SW_RH_33.2
Net-(D_RH_34-A): D_RH_34.2 SW_RH_34.2
Net-(D_RH_35-A): D_RH_35.2 SW_RH_35.2
Net-(D_RH_36-A): D_RH_36.2 SW_RH_36.2
Net-(D_RH_37-A): D_RH_37.2 SW_RH_37.2
Net-(D_RH_38-A): D_RH_38.2 SW_RH_38.2
Net-(D_RH_40-A): D_RH_40.2 SW_RH_40.2
Net-(D_RH_42-A): D_RH_42.2 SW_RH_42.2
Net-(D_RH_43-A): D_RH_43.2 SW_RH_43.2
Net-(D_RH_44-A): D_RH_44.2 SW_RH_44.2
Net-(D_RH_45-A): D_RH_45.2 SW_RH_45.2
Net-(D_RH_46-A): D_RH_46.2 SW_RH_46.2
Net-(D_RH_47-A): D_RH_47.2 SW_RH_47.2
Net-(D_RH_48-A): D_RH_48.2 SW_RH_48.2
Net-(D_RH_50-A): D_RH_50.2 SW_RH_50.2
Net-(D_RH_51-A): D_RH_51.2 SW_RH_51.2
Net-(D_RH_52-A): D_RH_52.2 SW_RH_52.2
Net-(D_RH_53-A): D_RH_53.2 SW_RH_53.2
Net-(D_RH_54-A): D_RH_54.2 SW_RH_54.2
Net-(D_RH_55-A): D_RH_55.2 SW_RH_55.2
Net-(D_RH_56-A): D_RH_56.2 SW_RH_56.2
Net-(D_RH_57-A): D_RH_57.2 SW_RH_57.2
Net-(D_RH_58-A): D_RH_58.2 SW_RH_58.2
Net-(J_SOL_1-Pin_1): D_SOL_1.A J_SOL_1.1 Q1.2
Net-(Q1-B): Q1.1 R1.1

Pads without a net: H1 1; H2 1; H3 1; H4 1; H5 1; H6 1; H7 1; H8 1; H9 1; H10 1; H11 1; H12 1; H13 1; H14 1; H15 1; J1 1 2 3 4; J2 4; J3 1 2 3 4; J4 1 2 3 4; L_LH_00 2 4; L_LH_1 2 4; L_LH_2 2 4; L_LH_3 2 4; L_LH_4 2 4; L_LH_5 2 4; L_LH_6 2 4; L_LH_7 2 4; L_LH_10 2 4; L_LH_11 2 4; L_LH_12 2 4; L_LH_13 2 4; L_LH_14 2 4; L_LH_15 2 4; L_LH_16 2 4; L_LH_17 2 4; L_LH_20 2 4; L_LH_21 2 4; L_LH_22 2 4; L_LH_23 2 4; L_LH_24 2 4; L_LH_25 2 4; L_LH_26 2 4; L_LH_27 2 4; L_LH_30 2 4; L_LH_31 2 4; L_LH_32 2 4; L_LH_33 2 4; L_LH_34 2 4; L_LH_35 2 4; L_LH_36 2 4; L_LH_37 2 4; L_LH_40 2 4; L_LH_41 2 4; L_LH_42 2 4; L_LH_43 2 4; L_LH_44 2 4; L_LH_45 2 4; L_LH_46 2 4; L_LH_47 2 4; L_LH_50 2 4; L_LH_51 2 4; L_LH_52 2 4; L_LH_53 2 4; L_LH_54 2 4; L_LH_55 2 4; L_LH_56 2 4; L_LH_57 2 4; L_LH_58 2 4; L_RH_00 2 4; L_RH_1 2 4; L_RH_2 2 4; L_RH_3 2 4; L_RH_4 2 4; L_RH_5 2 4; L_RH_6 2 4; L_RH_7 2 4; L_RH_8 2 4; L_RH_10 2 4; L_RH_11 2 4; L_RH_12 2 4; L_RH_13 2 4; L_RH_14 2 4; L_RH_15 2 4; L_RH_16 2 4; L_RH_17 2 4; L_RH_18 2 4; L_RH_20 2 4; L_RH_21 2 4; L_RH_22 2 4; L_RH_23 2 4; L_RH_24 2 4; L_RH_25 2 4; L_RH_26 2 4; L_RH_27 2 4; L_RH_28 2 4; L_RH_30 2 4; L_RH_31 2 4; L_RH_32 2 4; L_RH_33 2 4; L_RH_34 2 4; L_RH_35 2 4; L_RH_36 2 4; L_RH_37 2 4; L_RH_38 2 4; L_RH_40 2 4; L_RH_41 2 4; L_RH_42 2 4; L_RH_43 2 4; L_RH_44 2 4; L_RH_45 2 4; L_RH_46 2 4; L_RH_47 2 4; L_RH_48 2 4; L_RH_50 2 4; L_RH_51 2 4; L_RH_52 2 4; L_RH_53 2 4; L_RH_54 2 4; L_RH_55 2 4; L_RH_56 2 4; L_RH_57 2 4; L_RH_58 2 4; NOREF 1 2 3 4 5 6 7 8 9 10 11 12 13 14 15 16 17 18 19 20 21 22 23 24 25 26 27 28 29 30 31 32 33; NOREF#2 1 2 3 4 5 6 7 8 9 10 11 12 13 14 15 16 17 18 19 20 21 22 23 24 25 26 27 28 29 30 31 32 33; NOREF#3 1 2 3 4 5 6 7 8 9 10 11 12 13 14 15 16 17 18 19 20 21 22 23 24 25 26 27 28 29 30 31 32 33; NOREF#4 1 2 3 4 5 6 7 8 9 10 11 12 13 14 15 16 17 18 19 20 21 22 23 24 25 26 27 28 29 30 31 32 33; NOREF#5 1 2 3 4 5 6 7 8 9 10 11 12 13 14 15 16 17 18 19 20 21 22 23 24 25 26 27 28 29 30 31 32 33; U1 24 25 30 35 36 37; U2 30 35 36 37

## Text on the board
User.Comments: 1.25u | 2u | 2.25u | 1.75u | 1.5u
